# Altium PCB Digital_Optical.PcbDoc (part 1 of 3) (continued)
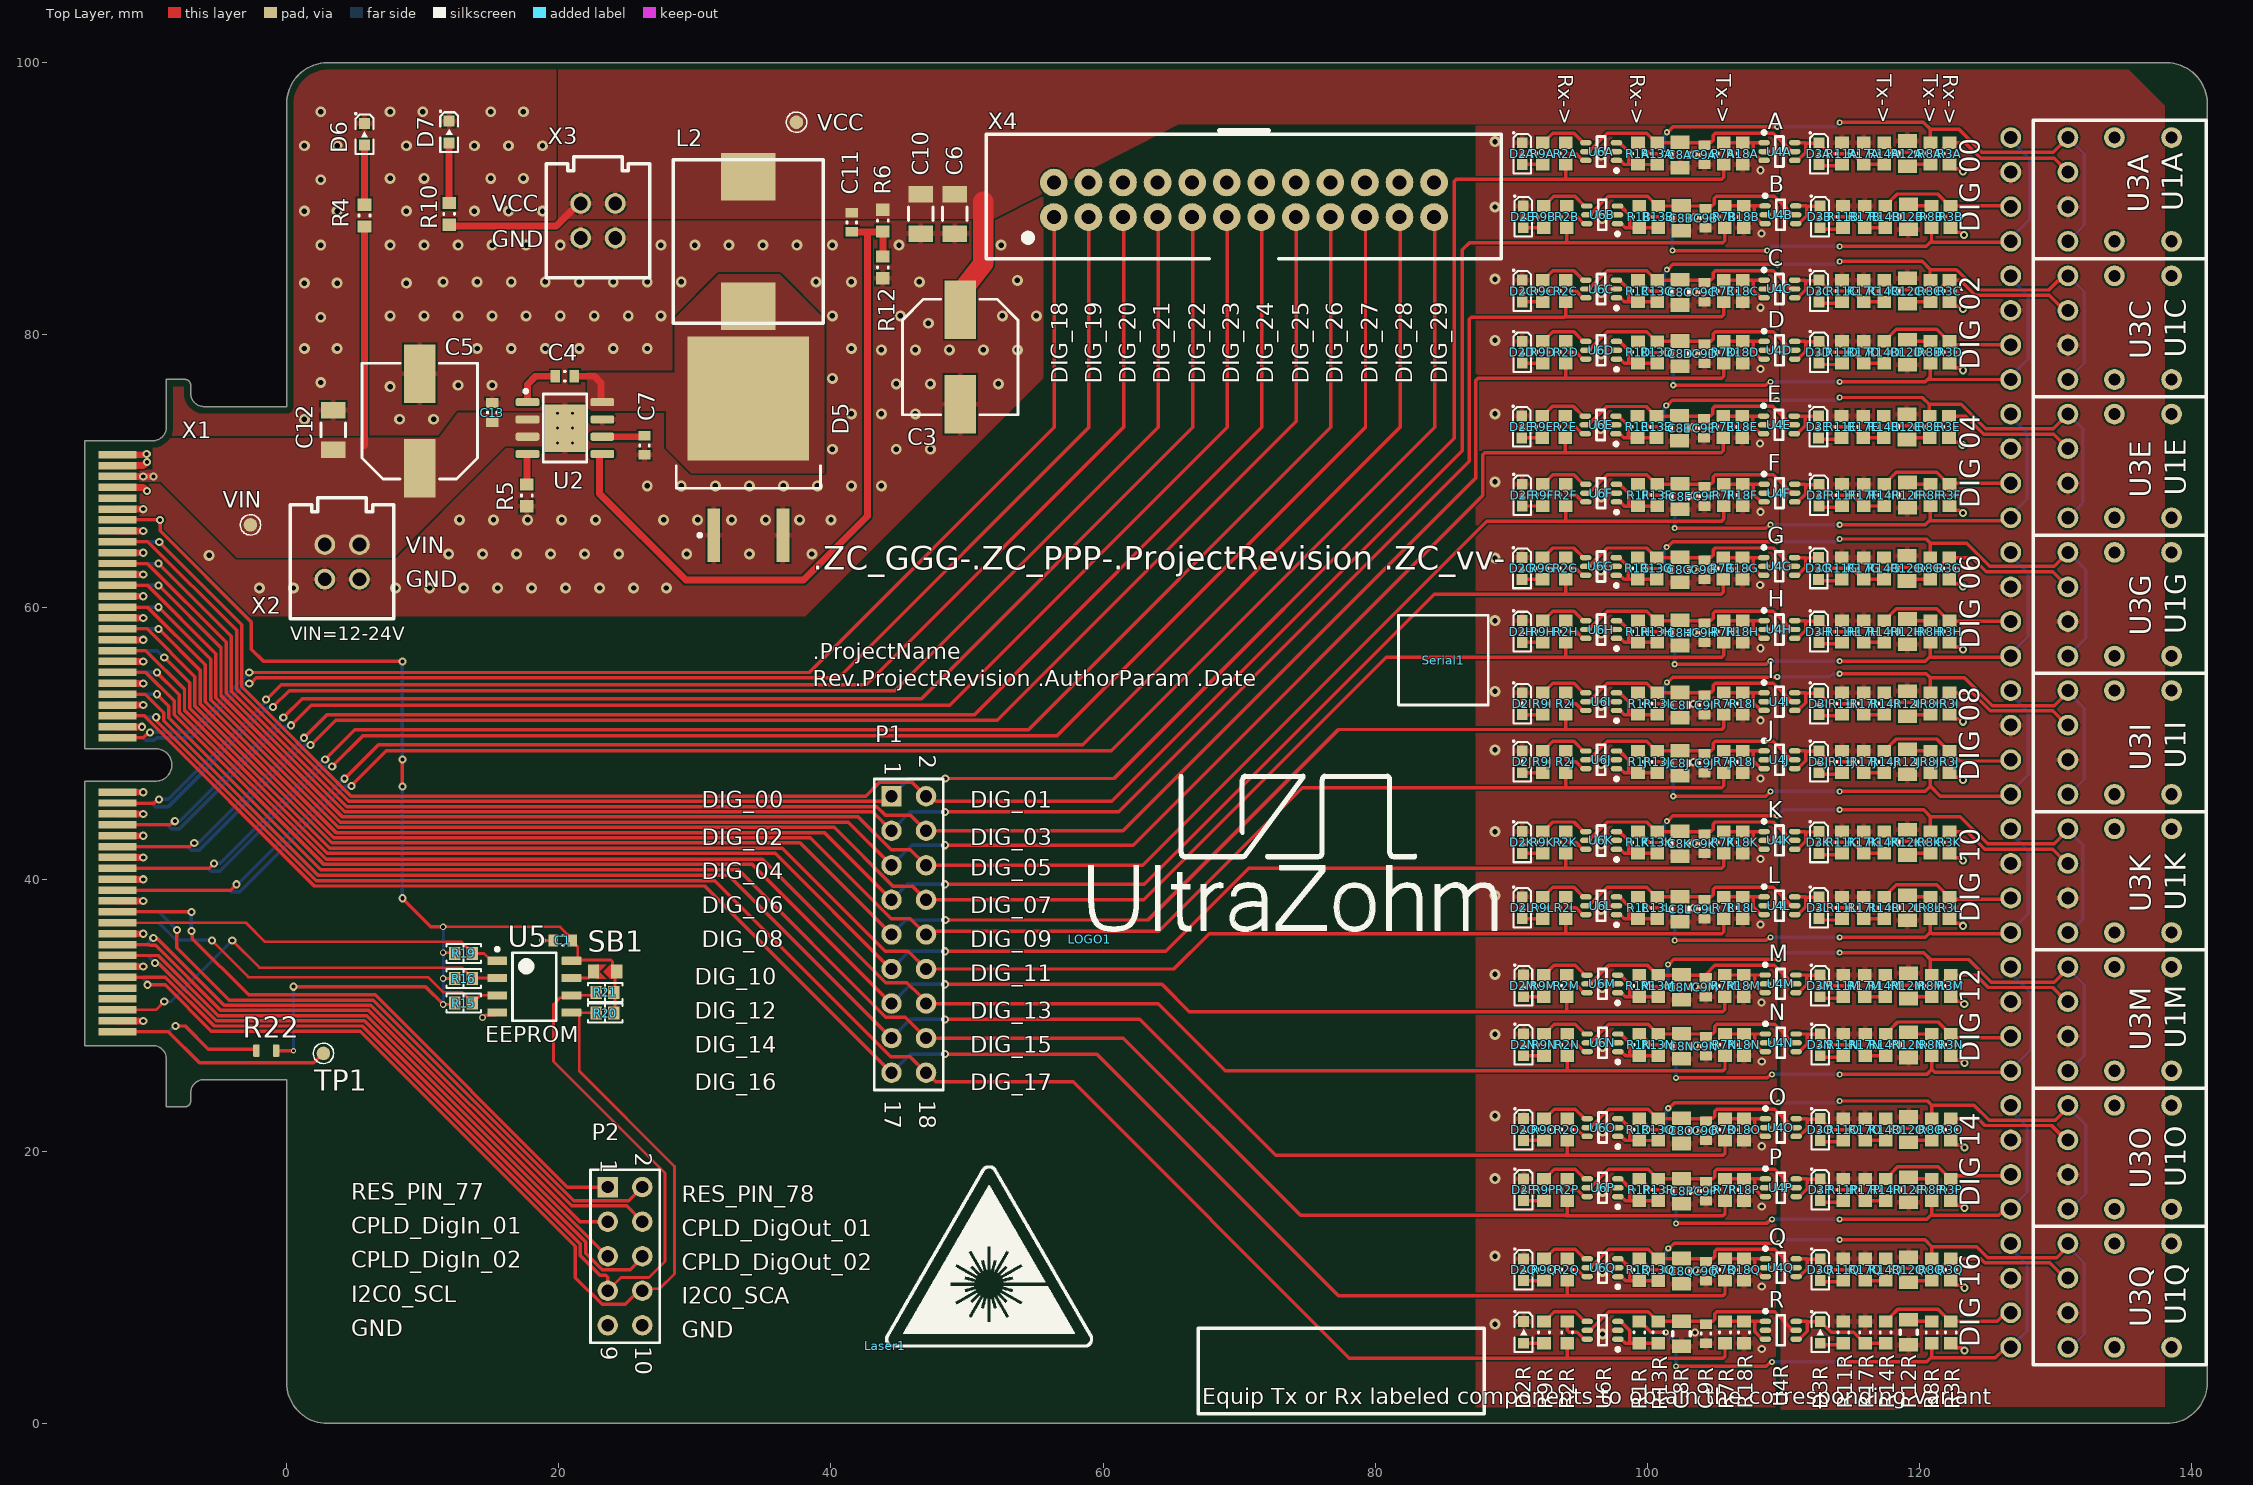
[diagram p0: Top Layer view]
## Components (designator, comment, footprint, x,y, rotation, side; value= is the part's Value field where it differs from the comment)
C1 "100 nF" C_0603 20.3,35.497 r180 top
C3 "220uF" CAPAE9083X105M 49.5,78.375 r90 top
C4 "100nF" C_0603(1608)100_L 20.447,76.962 r0 top
C5 "220uF" CAPAE9083X105M 9.779,73.66 r270 top
C6 "10µF" C_1206 49.1,88.9 r270 top
C7 "10nF" C_0603(1608)100_L 26.289,71.882 r270 top
C8A "4.7µF" CAP_2012X06N 102.41,93.223 r270 top (schematic designator C8)
C8B "4.7µF" CAP_2012X06N 102.485,88.573 r270 top (schematic designator C8)
C8C "4.7µF" CAP_2012X06N 102.41,83.123 r270 top (schematic designator C8)
C8D "4.7µF" CAP_2012X06N 102.41,78.623 r270 top (schematic designator C8)
C8E "4.7µF" CAP_2012X06N 102.37,73.134 r270 top (schematic designator C8)
C8F "4.7µF" CAP_2012X06N 102.41,68.123 r270 top (schematic designator C8)
C8G "4.7µF" CAP_2012X06N 102.396,62.734 r270 top (schematic designator C8)
C8H "4.7µF" CAP_2012X06N 102.41,58.098 r270 top (schematic designator C8)
C8I "4.7µF" CAP_2012X06N 102.41,52.798 r270 top (schematic designator C8)
C8J "4.7µF" CAP_2012X06N 102.41,48.523 r270 top (schematic designator C8)
C8K "4.7µF" CAP_2012X06N 102.41,42.598 r270 top (schematic designator C8)
C8L "4.7µF" CAP_2012X06N 102.41,37.798 r270 top (schematic designator C8)
C8M "4.7µF" CAP_2012X06N 102.493,32.056 r270 top (schematic designator C8)
C8N "4.7µF" CAP_2012X06N 102.51,27.723 r270 top (schematic designator C8)
C8O "4.7µF" CAP_2012X06N 102.51,21.498 r270 top (schematic designator C8)
C8P "4.7µF" CAP_2012X06N 102.51,17.073 r270 top (schematic designator C8)
C8Q "4.7µF" CAP_2012X06N 102.51,11.198 r270 top (schematic designator C8)
C8R "4.7µF" CAP_2012X06N 102.51,6.598 r270 top (schematic designator C8)
C9A "100nF" C_0603(1608)100_L 104.2,93.225 r270 top (schematic designator C9)
C9B "100nF" C_0603(1608)100_L 104.275,88.575 r270 top (schematic designator C9)
C9C "100nF" C_0603(1608)100_L 104.2,83.125 r270 top (schematic designator C9)
C9D "100nF" C_0603(1608)100_L 104.2,78.625 r270 top (schematic designator C9)
C9E "100nF" C_0603(1608)100_L 104.161,73.136 r270 top (schematic designator C9)
C9F "100nF" C_0603(1608)100_L 104.2,68.125 r270 top (schematic designator C9)
C9G "100nF" C_0603(1608)100_L 104.186,62.736 r270 top (schematic designator C9)
C9H "100nF" C_0603(1608)100_L 104.2,58.1 r270 top (schematic designator C9)
C9I "100nF" C_0603(1608)100_L 104.2,52.8 r270 top (schematic designator C9)
C9J "100nF" C_0603(1608)100_L 104.2,48.525 r270 top (schematic designator C9)
C9K "100nF" C_0603(1608)100_L 104.2,42.6 r270 top (schematic designator C9)
C9L "100nF" C_0603(1608)100_L 104.2,37.8 r270 top (schematic designator C9)
C9M "100nF" C_0603(1608)100_L 104.283,32.058 r270 top (schematic designator C9)
C9N "100nF" C_0603(1608)100_L 104.3,27.725 r270 top (schematic designator C9)
C9O "100nF" C_0603(1608)100_L 104.3,21.5 r270 top (schematic designator C9)
C9P "100nF" C_0603(1608)100_L 104.3,17.075 r270 top (schematic designator C9)
C9Q "100nF" C_0603(1608)100_L 104.3,11.2 r270 top (schematic designator C9)
C9R "100nF" C_0603(1608)100_L 104.3,6.6 r270 top (schematic designator C9)
C10 "10µF" C_1206 46.6,88.9 r270 top
C11 "220pF" C_0603(1608)100_L 41.529,88.265 r270 top
C12 "10µF" C_1206 3.429,73.025 r90 top
C13 "100nF" C_0603(1608)100_L 15.113,74.295 r270 top
D2A "150060RS75000" WL-SMCW_0603 90.8,93.325 r270 top (schematic designator D2)
D2B "150060RS75000" WL-SMCW_0603 90.875,88.675 r270 top (schematic designator D2)
D2C "150060RS75000" WL-SMCW_0603 90.8,83.225 r270 top (schematic designator D2)
D2D "150060RS75000" WL-SMCW_0603 90.8,78.725 r270 top (schematic designator D2)
D2E "150060RS75000" WL-SMCW_0603 90.761,73.236 r270 top (schematic designator D2)
D2F "150060RS75000" WL-SMCW_0603 90.8,68.225 r270 top (schematic designator D2)
D2G "150060RS75000" WL-SMCW_0603 90.786,62.836 r270 top (schematic designator D2)
D2H "150060RS75000" WL-SMCW_0603 90.8,58.2 r270 top (schematic designator D2)
D2I "150060RS75000" WL-SMCW_0603 90.8,52.9 r270 top (schematic designator D2)
D2J "150060RS75000" WL-SMCW_0603 90.8,48.625 r270 top (schematic designator D2)
D2K "150060RS75000" WL-SMCW_0603 90.8,42.7 r270 top (schematic designator D2)
D2L "150060RS75000" WL-SMCW_0603 90.8,37.9 r270 top (schematic designator D2)
D2M "150060RS75000" WL-SMCW_0603 90.883,32.158 r270 top (schematic designator D2)
D2N "150060RS75000" WL-SMCW_0603 90.9,27.825 r270 top (schematic designator D2)
D2O "150060RS75000" WL-SMCW_0603 90.9,21.6 r270 top (schematic designator D2)
D2P "150060RS75000" WL-SMCW_0603 90.9,17.175 r270 top (schematic designator D2)
D2Q "150060RS75000" WL-SMCW_0603 90.9,11.3 r270 top (schematic designator D2)
D2R "150060RS75000" WL-SMCW_0603 90.9,6.7 r270 top (schematic designator D2)
D3A "150060GS75000" WL-SMCW_0603 112.6,93.325 r270 top (schematic designator D3)
D3B "150060GS75000" WL-SMCW_0603 112.675,88.675 r270 top (schematic designator D3)
D3C "150060GS75000" WL-SMCW_0603 112.6,83.225 r270 top (schematic designator D3)
D3D "150060GS75000" WL-SMCW_0603 112.6,78.725 r270 top (schematic designator D3)
D3E "150060GS75000" WL-SMCW_0603 112.561,73.236 r270 top (schematic designator D3)
D3F "150060GS75000" WL-SMCW_0603 112.6,68.225 r270 top (schematic designator D3)
D3G "150060GS75000" WL-SMCW_0603 112.586,62.836 r270 top (schematic designator D3)
D3H "150060GS75000" WL-SMCW_0603 112.6,58.2 r270 top (schematic designator D3)
D3I "150060GS75000" WL-SMCW_0603 112.6,52.9 r270 top (schematic designator D3)
D3J "150060GS75000" WL-SMCW_0603 112.6,48.625 r270 top (schematic designator D3)
D3K "150060GS75000" WL-SMCW_0603 112.6,42.7 r270 top (schematic designator D3)
D3L "150060GS75000" WL-SMCW_0603 112.6,37.9 r270 top (schematic designator D3)
D3M "150060GS75000" WL-SMCW_0603 112.683,32.158 r270 top (schematic designator D3)
D3N "150060GS75000" WL-SMCW_0603 112.7,27.825 r270 top (schematic designator D3)
D3O "150060GS75000" WL-SMCW_0603 112.7,21.6 r270 top (schematic designator D3)
D3P "150060GS75000" WL-SMCW_0603 112.7,17.175 r270 top (schematic designator D3)
D3Q "150060GS75000" WL-SMCW_0603 112.7,11.3 r270 top (schematic designator D3)
D3R "150060GS75000" WL-SMCW_0603 112.7,6.7 r270 top (schematic designator D3)
D5 "Value" DPAK254P1542X460-3N 33.925,71.628 r90 top
D6 "150060BS75000" WL-SMCW_0603 5.715,94.742 r270 top
D7 "150060RS75000" WL-SMCW_0603 11.938,94.907 r270 top
L2 "15uH" MWSA1004 33.925,86.868 r90 top
Laser1 "Voll_Laser" VOLL_LASER 44,5.7 r0 top
LOGO1 "UZ Logo" UZ_Logo_small 59,35.6 r0 top
P1 "Header 9X2" HDR2X9 44.45,46.101 r270 top
P2 "Header 5X2" HDR2X5 23.597,17.374 r270 top
R1A "0R" R_0603_N 99.309,93.323 r90 top (schematic designator R1)
R1B "0R" R_0603_N 99.385,88.673 r90 top (schematic designator R1)
R1C "0R" R_0603_N 99.309,83.223 r90 top (schematic designator R1)
R1D "0R" R_0603_N 99.31,78.723 r90 top (schematic designator R1)
R1E "0R" R_0603_N 99.27,73.234 r90 top (schematic designator R1)
R1F "0R" R_0603_N 99.309,68.223 r90 top (schematic designator R1)
R1G "0R" R_0603_N 99.296,62.834 r90 top (schematic designator R1)
R1H "0R" R_0603_N 99.309,58.198 r90 top (schematic designator R1)
R1I "0R" R_0603_N 99.309,52.898 r90 top (schematic designator R1)
R1J "0R" R_0603_N 99.31,48.623 r90 top (schematic designator R1)
R1K "0R" R_0603_N 99.309,42.698 r90 top (schematic designator R1)
R1L "0R" R_0603_N 99.309,37.898 r90 top (schematic designator R1)
R1M "0R" R_0603_N 99.393,32.156 r90 top (schematic designator R1)
R1N "0R" R_0603_N 99.409,27.823 r90 top (schematic designator R1)
R1O "0R" R_0603_N 99.409,21.598 r90 top (schematic designator R1)
R1P "0R" R_0603_N 99.409,17.173 r90 top (schematic designator R1)
R1Q "0R" R_0603_N 99.409,11.298 r90 top (schematic designator R1)
R1R "0R" R_0603_N 99.409,6.698 r90 top (schematic designator R1)
R2A "0R" R_0603_N 94,93.325 r90 top (schematic designator R2)
R2B "0R" R_0603_N 94.075,88.675 r90 top (schematic designator R2)
R2C "0R" R_0603_N 94,83.225 r90 top (schematic designator R2)
R2D "0R" R_0603_N 94,78.725 r90 top (schematic designator R2)
R2E "0R" R_0603_N 93.961,73.236 r90 top (schematic designator R2)
R2F "0R" R_0603_N 94,68.225 r90 top (schematic designator R2)
R2G "0R" R_0603_N 93.986,62.836 r90 top (schematic designator R2)
R2H "0R" R_0603_N 94,58.2 r90 top (schematic designator R2)
R2I "0R" R_0603_N 94,52.9 r90 top (schematic designator R2)
R2J "0R" R_0603_N 94,48.625 r90 top (schematic designator R2)
R2K "0R" R_0603_N 94,42.7 r90 top (schematic designator R2)
R2L "0R" R_0603_N 94,37.9 r90 top (schematic designator R2)
R2M "0R" R_0603_N 94.083,32.158 r90 top (schematic designator R2)
R2N "0R" R_0603_N 94.1,27.825 r90 top (schematic designator R2)
R2O "0R" R_0603_N 94.1,21.6 r90 top (schematic designator R2)
R2P "0R" R_0603_N 94.1,17.175 r90 top (schematic designator R2)
R2Q "0R" R_0603_N 94.1,11.3 r90 top (schematic designator R2)
R2R "0R" R_0603_N 94.1,6.7 r90 top (schematic designator R2)
R3A "0R" R_0603_N 122.2,93.325 r270 top (schematic designator R3)
R3B "0R" R_0603_N 122.275,88.675 r270 top (schematic designator R3)
R3C "0R" R_0603_N 122.2,83.225 r270 top (schematic designator R3)
R3D "0R" R_0603_N 122.2,78.725 r270 top (schematic designator R3)
R3E "0R" R_0603_N 122.161,73.236 r270 top (schematic designator R3)
R3F "0R" R_0603_N 122.2,68.225 r270 top (schematic designator R3)
R3G "0R" R_0603_N 122.186,62.836 r270 top (schematic designator R3)
R3H "0R" R_0603_N 122.2,58.2 r270 top (schematic designator R3)
R3I "0R" R_0603_N 122.2,52.9 r270 top (schematic designator R3)
R3J "0R" R_0603_N 122.2,48.625 r270 top (schematic designator R3)
R3K "0R" R_0603_N 122.2,42.7 r270 top (schematic designator R3)
R3L "0R" R_0603_N 122.2,37.9 r270 top (schematic designator R3)
R3M "0R" R_0603_N 122.283,32.158 r270 top (schematic designator R3)
R3N "0R" R_0603_N 122.3,27.825 r270 top (schematic designator R3)
R3O "0R" R_0603_N 122.3,21.6 r270 top (schematic designator R3)
R3P "0R" R_0603_N 122.3,17.175 r270 top (schematic designator R3)
R3Q "0R" R_0603_N 122.3,11.3 r270 top (schematic designator R3)
R3R "0R" R_0603_N 122.3,6.7 r270 top (schematic designator R3)
R4 "12k" R_0603_N 5.715,88.773 r270 top
R5 "13k" R_0603_N 17.653,68.199 r90 top
R6 "43k" R_0603_N 43.815,88.392 r90 top
R7A "0R" R_0603_N 105.6,93.325 r270 top (schematic designator R7)
R7B "0R" R_0603_N 105.675,88.675 r270 top (schematic designator R7)
R7C "0R" R_0603_N 105.6,83.225 r270 top (schematic designator R7)
R7D "0R" R_0603_N 105.6,78.725 r270 top (schematic designator R7)
R7E "0R" R_0603_N 105.561,73.236 r270 top (schematic designator R7)
R7F "0R" R_0603_N 105.6,68.225 r270 top (schematic designator R7)
R7G "0R" R_0603_N 105.586,62.836 r270 top (schematic designator R7)
R7H "0R" R_0603_N 105.6,58.2 r270 top (schematic designator R7)
R7I "0R" R_0603_N 105.6,52.9 r270 top (schematic designator R7)
R7J "0R" R_0603_N 105.6,48.625 r270 top (schematic designator R7)
R7K "0R" R_0603_N 105.6,42.7 r270 top (schematic designator R7)
R7L "0R" R_0603_N 105.6,37.9 r270 top (schematic designator R7)
R7M "0R" R_0603_N 105.683,32.158 r270 top (schematic designator R7)
R7N "0R" R_0603_N 105.7,27.825 r270 top (schematic designator R7)
R7O "0R" R_0603_N 105.7,21.6 r270 top (schematic designator R7)
R7P "0R" R_0603_N 105.7,17.175 r270 top (schematic designator R7)
R7Q "0R" R_0603_N 105.7,11.3 r270 top (schematic designator R7)
R7R "0R" R_0603_N 105.7,6.7 r270 top (schematic designator R7)
R8A "0R" R_0603_N 120.8,93.325 r90 top (schematic designator R8)
R8B "0R" R_0603_N 120.875,88.675 r270 top (schematic designator R8)
R8C "0R" R_0603_N 120.8,83.225 r90 top (schematic designator R8)
R8D "0R" R_0603_N 120.8,78.725 r270 top (schematic designator R8)
R8E "0R" R_0603_N 120.761,73.236 r90 top (schematic designator R8)
R8F "0R" R_0603_N 120.8,68.225 r270 top (schematic designator R8)
R8G "0R" R_0603_N 120.786,62.836 r90 top (schematic designator R8)
R8H "0R" R_0603_N 120.8,58.2 r270 top (schematic designator R8)
R8I "0R" R_0603_N 120.8,52.9 r90 top (schematic designator R8)
R8J "0R" R_0603_N 120.8,48.625 r270 top (schematic designator R8)
R8K "0R" R_0603_N 120.8,42.7 r90 top (schematic designator R8)
R8L "0R" R_0603_N 120.8,37.9 r270 top (schematic designator R8)
R8M "0R" R_0603_N 120.883,32.158 r90 top (schematic designator R8)
R8N "0R" R_0603_N 120.9,27.825 r270 top (schematic designator R8)
R8O "0R" R_0603_N 120.9,21.6 r90 top (schematic designator R8)
R8P "0R" R_0603_N 120.9,17.175 r270 top (schematic designator R8)
R8Q "0R" R_0603_N 120.9,11.3 r90 top (schematic designator R8)
R8R "0R" R_0603_N 120.9,6.7 r270 top (schematic designator R8)
R9A "680R" R_0603_N 92.3,93.325 r270 top (schematic designator R9)
R9B "680R" R_0603_N 92.375,88.675 r270 top (schematic designator R9)
R9C "680R" R_0603_N 92.3,83.225 r270 top (schematic designator R9)
R9D "680R" R_0603_N 92.3,78.725 r270 top (schematic designator R9)
R9E "680R" R_0603_N 92.261,73.236 r270 top (schematic designator R9)
R9F "680R" R_0603_N 92.3,68.225 r270 top (schematic designator R9)
R9G "680R" R_0603_N 92.286,62.836 r270 top (schematic designator R9)
R9H "680R" R_0603_N 92.3,58.2 r270 top (schematic designator R9)
R9I "680R" R_0603_N 92.3,52.9 r270 top (schematic designator R9)
R9J "680R" R_0603_N 92.3,48.625 r270 top (schematic designator R9)
R9K "680R" R_0603_N 92.3,42.7 r270 top (schematic designator R9)
R9L "680R" R_0603_N 92.3,37.9 r270 top (schematic designator R9)
R9M "680R" R_0603_N 92.383,32.158 r270 top (schematic designator R9)
R9N "680R" R_0603_N 92.4,27.825 r270 top (schematic designator R9)
R9O "680R" R_0603_N 92.4,21.6 r270 top (schematic designator R9)
R9P "680R" R_0603_N 92.4,17.175 r270 top (schematic designator R9)
R9Q "680R" R_0603_N 92.4,11.3 r270 top (schematic designator R9)
R9R "680R" R_0603_N 92.4,6.7 r270 top (schematic designator R9)
R10 "680R" R_0603_N 11.938,88.9 r270 top
R11A "680R" R_0603_N 114.3,93.325 r270 top (schematic designator R11)
R11B "680R" R_0603_N 114.375,88.675 r270 top (schematic designator R11)
R11C "680R" R_0603_N 114.3,83.225 r270 top (schematic designator R11)
R11D "680R" R_0603_N 114.3,78.725 r270 top (schematic designator R11)
R11E "680R" R_0603_N 114.261,73.236 r270 top (schematic designator R11)
R11F "680R" R_0603_N 114.3,68.225 r270 top (schematic designator R11)
R11G "680R" R_0603_N 114.286,62.836 r270 top (schematic designator R11)
R11H "680R" R_0603_N 114.3,58.2 r270 top (schematic designator R11)
R11I "680R" R_0603_N 114.3,52.9 r270 top (schematic designator R11)
R11J "680R" R_0603_N 114.3,48.625 r270 top (schematic designator R11)
R11K "680R" R_0603_N 114.3,42.7 r270 top (schematic designator R11)
R11L "680R" R_0603_N 114.3,37.9 r270 top (schematic designator R11)
R11M "680R" R_0603_N 114.383,32.158 r270 top (schematic designator R11)
R11N "680R" R_0603_N 114.4,27.825 r270 top (schematic designator R11)
R11O "680R" R_0603_N 114.4,21.6 r270 top (schematic designator R11)
R11P "680R" R_0603_N 114.4,17.175 r270 top (schematic designator R11)
R11Q "680R" R_0603_N 114.4,11.3 r270 top (schematic designator R11)
R11R "680R" R_0603_N 114.4,6.7 r270 top (schematic designator R11)
R12 "12k" R_0603_N 43.815,84.963 r90 top
R12A "56R" RES_2012X06N 119.1,93.325 r270 top (schematic designator R12)
R12B "56R" RES_2012X06N 119.175,88.675 r90 top (schematic designator R12)
R12C "56R" RES_2012X06N 119.1,83.225 r270 top (schematic designator R12)
R12D "56R" RES_2012X06N 119.1,78.725 r90 top (schematic designator R12)
R12E "56R" RES_2012X06N 119.061,73.236 r270 top (schematic designator R12)
R12F "56R" RES_2012X06N 119.1,68.225 r90 top (schematic designator R12)
R12G "56R" RES_2012X06N 119.086,62.836 r270 top (schematic designator R12)
R12H "56R" RES_2012X06N 119.1,58.2 r90 top (schematic designator R12)
R12I "56R" RES_2012X06N 119.1,52.9 r270 top (schematic designator R12)
R12J "56R" RES_2012X06N 119.1,48.625 r90 top (schematic designator R12)
R12K "56R" RES_2012X06N 119.1,42.7 r270 top (schematic designator R12)
R12L "56R" RES_2012X06N 119.1,37.9 r90 top (schematic designator R12)
R12M "56R" RES_2012X06N 119.183,32.158 r270 top (schematic designator R12)
R12N "56R" RES_2012X06N 119.2,27.825 r90 top (schematic designator R12)
R12O "56R" RES_2012X06N 119.2,21.6 r270 top (schematic designator R12)
R12P "56R" RES_2012X06N 119.2,17.175 r90 top (schematic designator R12)
R12Q "56R" RES_2012X06N 119.2,11.3 r270 top (schematic designator R12)
R12R "56R" RES_2012X06N 119.2,6.7 r90 top (schematic designator R12)
R13A "43k" R_0603_N 100.709,93.323 r270 top (schematic designator R13)
R13B "43k" R_0603_N 100.784,88.673 r270 top (schematic designator R13)
R13C "43k" R_0603_N 100.709,83.223 r270 top (schematic designator R13)
R13D "43k" R_0603_N 100.71,78.723 r270 top (schematic designator R13)
R13E "43k" R_0603_N 100.67,73.234 r270 top (schematic designator R13)
R13F "43k" R_0603_N 100.709,68.223 r270 top (schematic designator R13)
R13G "43k" R_0603_N 100.696,62.834 r270 top (schematic designator R13)
R13H "43k" R_0603_N 100.709,58.198 r270 top (schematic designator R13)
R13I "43k" R_0603_N 100.709,52.898 r270 top (schematic designator R13)
R13J "43k" R_0603_N 100.71,48.623 r270 top (schematic designator R13)
R13K "43k" R_0603_N 100.709,42.698 r270 top (schematic designator R13)
R13L "43k" R_0603_N 100.709,37.898 r270 top (schematic designator R13)
R13M "43k" R_0603_N 100.793,32.156 r270 top (schematic designator R13)
R13N "43k" R_0603_N 100.809,27.823 r270 top (schematic designator R13)
R13O "43k" R_0603_N 100.809,21.598 r270 top (schematic designator R13)
R13P "43k" R_0603_N 100.809,17.173 r270 top (schematic designator R13)
R13Q "43k" R_0603_N 100.809,11.298 r270 top (schematic designator R13)
R13R "43k" R_0603_N 100.809,6.698 r270 top (schematic designator R13)
R14A "0R" R_0603_N 117.4,93.325 r90 top (schematic designator R14)
R14B "0R" R_0603_N 117.475,88.675 r90 top (schematic designator R14)
R14C "0R" R_0603_N 117.4,83.225 r90 top (schematic designator R14)
R14D "0R" R_0603_N 117.4,78.725 r90 top (schematic designator R14)
R14E "0R" R_0603_N 117.361,73.236 r90 top (schematic designator R14)
R14F "0R" R_0603_N 117.4,68.225 r90 top (schematic designator R14)
R14G "0R" R_0603_N 117.386,62.836 r90 top (schematic designator R14)
R14H "0R" R_0603_N 117.4,58.2 r90 top (schematic designator R14)
R14I "0R" R_0603_N 117.4,52.9 r90 top (schematic designator R14)
R14J "0R" R_0603_N 117.4,48.625 r90 top (schematic designator R14)
R14K "0R" R_0603_N 117.4,42.7 r90 top (schematic designator R14)
R14L "0R" R_0603_N 117.4,37.9 r90 top (schematic designator R14)
R14M "0R" R_0603_N 117.483,32.158 r90 top (schematic designator R14)
R14N "0R" R_0603_N 117.5,27.825 r90 top (schematic designator R14)
R14O "0R" R_0603_N 117.5,21.6 r90 top (schematic designator R14)
R14P "0R" R_0603_N 117.5,17.175 r90 top (schematic designator R14)
R14Q "0R" R_0603_N 117.5,11.3 r90 top (schematic designator R14)
R14R "0R" R_0603_N 117.5,6.7 r90 top (schematic designator R14)
R15 "4k7" "RES 0603_1608" 13,30.888 r180 top
R16 "4k7" "RES 0603_1608" 13,32.697 r180 top
R17A "2k" R_0603_N 115.9,93.325 r90 top (schematic designator R17)
R17B "2k" R_0603_N 115.975,88.675 r90 top (schematic designator R17)
R17C "2k" R_0603_N 115.9,83.225 r90 top (schematic designator R17)
R17D "2k" R_0603_N 115.9,78.725 r90 top (schematic designator R17)
R17E "2k" R_0603_N 115.861,73.236 r90 top (schematic designator R17)
R17F "2k" R_0603_N 115.9,68.225 r90 top (schematic designator R17)
R17G "2k" R_0603_N 115.886,62.836 r90 top (schematic designator R17)
R17H "2k" R_0603_N 115.9,58.2 r90 top (schematic designator R17)
R17I "2k" R_0603_N 115.9,52.9 r90 top (schematic designator R17)
R17J "2k" R_0603_N 115.9,48.625 r90 top (schematic designator R17)
R17K "2k" R_0603_N 115.9,42.7 r90 top (schematic designator R17)
R17L "2k" R_0603_N 115.9,37.9 r90 top (schematic designator R17)
R17M "2k" R_0603_N 115.983,32.158 r90 top (schematic designator R17)
R17N "2k" R_0603_N 116,27.825 r90 top (schematic designator R17)
R17O "2k" R_0603_N 116,21.6 r90 top (schematic designator R17)
R17P "2k" R_0603_N 116,17.175 r90 top (schematic designator R17)
R17Q "2k" R_0603_N 116,11.3 r90 top (schematic designator R17)
R17R "2k" R_0603_N 116,6.7 r90 top (schematic designator R17)
R18A "2k" R_0603_N 107,93.325 r90 top (schematic designator R18)
R18B "2k" R_0603_N 107.075,88.675 r90 top (schematic designator R18)
R18C "2k" R_0603_N 107,83.225 r90 top (schematic designator R18)
R18D "2k" R_0603_N 107,78.725 r90 top (schematic designator R18)
R18E "2k" R_0603_N 106.961,73.236 r90 top (schematic designator R18)
R18F "2k" R_0603_N 107,68.225 r90 top (schematic designator R18)
R18G "2k" R_0603_N 106.986,62.836 r90 top (schematic designator R18)
R18H "2k" R_0603_N 107,58.2 r90 top (schematic designator R18)
R18I "2k" R_0603_N 107,52.9 r90 top (schematic designator R18)
R18J "2k" R_0603_N 107,48.625 r90 top (schematic designator R18)
R18K "2k" R_0603_N 107,42.7 r90 top (schematic designator R18)
R18L "2k" R_0603_N 107,37.9 r90 top (schematic designator R18)
R18M "2k" R_0603_N 107.083,32.158 r90 top (schematic designator R18)
R18N "2k" R_0603_N 107.1,27.825 r90 top (schematic designator R18)
R18O "2k" R_0603_N 107.1,21.6 r90 top (schematic designator R18)
R18P "2k" R_0603_N 107.1,17.175 r90 top (schematic designator R18)
R18Q "2k" R_0603_N 107.1,11.3 r90 top (schematic designator R18)
R18R "2k" R_0603_N 107.1,6.7 r90 top (schematic designator R18)
R19 "4k7" "RES 0603_1608" 13,34.547 r180 top
R20 "100k" "RES 0603_1608" 23.4,30.158 r0 top
R21 "100k" "RES 0603_1608" 23.4,31.688 r0 top
R22 "1k" R_0603_TE -1.5,27.4 r270 top
SB1 "Solder Bump 0603" SB_0603 23.4,33.205 r0 top
Serial1 "Serialnumber 6,3 x 6.3mm" SERIAL_6.3X6.3MM 85,56.1 r180 top
TP1 "Testpoint 1mm" TP_1mm 2.7,27.2 r0 top
U1A "Optical Transmitter" HFBRx5XX 130.9,94.5 r90 top locked (schematic designator U1)
U1B "Optical Transmitter" HFBRx5XX 126.7,86.88 r270 bottom locked (schematic designator U1)
U1C "Optical Transmitter" HFBRx5XX 130.9,84.34 r90 top locked (schematic designator U1)
U1D "Optical Transmitter" HFBRx5XX 126.7,76.72 r270 bottom locked (schematic designator U1)
U1E "Optical Transmitter" HFBRx5XX 130.9,74.18 r90 top locked (schematic designator U1)
U1F "Optical Transmitter" HFBRx5XX 126.7,66.56 r270 bottom locked (schematic designator U1)
U1G "Optical Transmitter" HFBRx5XX 130.9,64.02 r90 top locked (schematic designator U1)
U1H "Optical Transmitter" HFBRx5XX 126.7,56.4 r270 bottom locked (schematic designator U1)
U1I "Optical Transmitter" HFBRx5XX 130.9,53.86 r90 top locked (schematic designator U1)
U1J "Optical Transmitter" HFBRx5XX 126.7,46.24 r270 bottom locked (schematic designator U1)
U1K "Optical Transmitter" HFBRx5XX 130.9,43.7 r90 top locked (schematic designator U1)
U1L "Optical Transmitter" HFBRx5XX 126.7,36.08 r270 bottom locked (schematic designator U1)
U1M "Optical Transmitter" HFBRx5XX 130.9,33.54 r90 top locked (schematic designator U1)
U1N "Optical Transmitter" HFBRx5XX 126.7,25.92 r270 bottom locked (schematic designator U1)
U1O "Optical Transmitter" HFBRx5XX 130.9,23.38 r90 top locked (schematic designator U1)
U1P "Optical Transmitter" HFBRx5XX 126.7,15.76 r270 bottom locked (schematic designator U1)
U1Q "Optical Transmitter" HFBRx5XX 130.9,13.22 r90 top locked (schematic designator U1)
U1R "Optical Transmitter" HFBRx5XX 126.7,5.6 r270 bottom locked (schematic designator U1)
U2 "5A Buck Converter" SOP127P600X170_HS-9N 20.447,73.152 r270 top
U3A "Optical Receiver" HFBRx5XX 130.9,94.5 r90 top locked (schematic designator U3)
U3B "Optical Receiver" HFBRx5XX 126.7,86.88 r270 bottom locked (schematic designator U3)
U3C "Optical Receiver" HFBRx5XX 130.9,84.34 r90 top locked (schematic designator U3)
U3D "Optical Receiver" HFBRx5XX 126.7,76.72 r270 bottom locked (schematic designator U3)
U3E "Optical Receiver" HFBRx5XX 130.9,74.18 r90 top locked (schematic designator U3)
U3F "Optical Receiver" HFBRx5XX 126.7,66.56 r270 bottom locked (schematic designator U3)
U3G "Optical Receiver" HFBRx5XX 130.9,64.02 r90 top locked (schematic designator U3)
U3H "Optical Receiver" HFBRx5XX 126.7,56.4 r270 bottom locked (schematic designator U3)
U3I "Optical Receiver" HFBRx5XX 130.9,53.86 r90 top locked (schematic designator U3)
U3J "Optical Receiver" HFBRx5XX 126.7,46.24 r270 bottom locked (schematic designator U3)
U3K "Optical Receiver" HFBRx5XX 130.9,43.7 r90 top locked (schematic designator U3)
U3L "Optical Receiver" HFBRx5XX 126.7,36.08 r270 bottom locked (schematic designator U3)
U3M "Optical Receiver" HFBRx5XX 130.9,33.54 r90 top locked (schematic designator U3)
U3N "Optical Receiver" HFBRx5XX 126.7,25.92 r270 bottom locked (schematic designator U3)
U3O "Optical Receiver" HFBRx5XX 130.9,23.38 r90 top locked (schematic designator U3)
U3P "Optical Receiver" HFBRx5XX 126.7,15.76 r270 bottom locked (schematic designator U3)
U3Q "Optical Receiver" HFBRx5XX 130.9,13.22 r90 top locked (schematic designator U3)
U3R "Optical Receiver" HFBRx5XX 126.7,5.6 r270 bottom locked (schematic designator U3)
U4A "Dual Inverter" SN74LVC2GU04DCKR 109.7,93.475 r180 top (schematic designator U4)
U4B "Dual Inverter" SN74LVC2GU04DCKR 109.775,88.825 r180 top (schematic designator U4)
U4C "Dual Inverter" SN74LVC2GU04DCKR 109.7,83.375 r180 top (schematic designator U4)
U4D "Dual Inverter" SN74LVC2GU04DCKR 109.7,78.875 r180 top (schematic designator U4)
U4E "Dual Inverter" SN74LVC2GU04DCKR 109.661,73.386 r180 top (schematic designator U4)
U4F "Dual Inverter" SN74LVC2GU04DCKR 109.7,68.375 r180 top (schematic designator U4)
U4G "Dual Inverter" SN74LVC2GU04DCKR 109.686,62.986 r180 top (schematic designator U4)
U4H "Dual Inverter" SN74LVC2GU04DCKR 109.7,58.35 r180 top (schematic designator U4)
U4I "Dual Inverter" SN74LVC2GU04DCKR 109.7,53.05 r180 top (schematic designator U4)
U4J "Dual Inverter" SN74LVC2GU04DCKR 109.7,48.775 r180 top (schematic designator U4)
U4K "Dual Inverter" SN74LVC2GU04DCKR 109.7,42.85 r180 top (schematic designator U4)
U4L "Dual Inverter" SN74LVC2GU04DCKR 109.7,38.05 r180 top (schematic designator U4)
U4M "Dual Inverter" SN74LVC2GU04DCKR 109.783,32.308 r180 top (schematic designator U4)
U4N "Dual Inverter" SN74LVC2GU04DCKR 109.8,27.975 r180 top (schematic designator U4)
U4O "Dual Inverter" SN74LVC2GU04DCKR 109.8,21.75 r180 top (schematic designator U4)
U4P "Dual Inverter" SN74LVC2GU04DCKR 109.8,17.325 r180 top (schematic designator U4)
U4Q "Dual Inverter" SN74LVC2GU04DCKR 109.8,11.45 r180 top (schematic designator U4)
U4R "Dual Inverter" SN74LVC2GU04DCKR 109.8,6.85 r180 top (schematic designator U4)
U5 "M24C02-WMN6TP" D0008A_N 18.2,32.1 r0 top
U6A "Dual Inverter" SN74LVC2GU04DCKR 96.601,93.473 r0 top (schematic designator U6)
U6B "Dual Inverter" SN74LVC2GU04DCKR 96.676,88.823 r0 top (schematic designator U6)
U6C "Dual Inverter" SN74LVC2GU04DCKR 96.601,83.373 r0 top (schematic designator U6)
U6D "Dual Inverter" SN74LVC2GU04DCKR 96.601,78.873 r0 top (schematic designator U6)
U6E "Dual Inverter" SN74LVC2GU04DCKR 96.562,73.384 r0 top (schematic designator U6)
U6F "Dual Inverter" SN74LVC2GU04DCKR 96.601,68.373 r0 top (schematic designator U6)
U6G "Dual Inverter" SN74LVC2GU04DCKR 96.587,62.984 r0 top (schematic designator U6)
U6H "Dual Inverter" SN74LVC2GU04DCKR 96.601,58.348 r0 top (schematic designator U6)
U6I "Dual Inverter" SN74LVC2GU04DCKR 96.601,53.048 r0 top (schematic designator U6)
U6J "Dual Inverter" SN74LVC2GU04DCKR 96.601,48.773 r0 top (schematic designator U6)
U6K "Dual Inverter" SN74LVC2GU04DCKR 96.601,42.848 r0 top (schematic designator U6)
U6L "Dual Inverter" SN74LVC2GU04DCKR 96.601,38.048 r0 top (schematic designator U6)
U6M "Dual Inverter" SN74LVC2GU04DCKR 96.685,32.306 r0 top (schematic designator U6)
U6N "Dual Inverter" SN74LVC2GU04DCKR 96.701,27.973 r0 top (schematic designator U6)
U6O "Dual Inverter" SN74LVC2GU04DCKR 96.701,21.748 r0 top (schematic designator U6)
U6P "Dual Inverter" SN74LVC2GU04DCKR 96.701,17.323 r0 top (schematic designator U6)
U6Q "Dual Inverter" SN74LVC2GU04DCKR 96.701,11.448 r0 top (schematic designator U6)
U6R "Dual Inverter" SN74LVC2GU04DCKR 96.701,6.848 r0 top (schematic designator U6)
VCC "Testpoint 1mm" TP_1MM 37.465,95.631 r90 top
VIN "Testpoint 1mm" TP_1MM -2.667,66.04 r90 top
X1 "HSEC8-150-01-XX-DV-A-BL-CARD" HSEC8-150-01-XX-DV-A-BL-CARD -14.84,50 r270 bottom locked
X2 "IPL1-102-01-L-D-K" IPL1-102-01-L-D-K 4.073,63.317 r180 top
X3 "IPL1-102-01-L-D-K" IPL1-102-01-L-D-K 22.876,88.392 r180 top
X4 "2x12 Header .100''" TST-112-01-G-D 70.35,89.93 r0 top
? "Design Information" Design_info2 41.4,54.1 r0 top
? "ZC Serialnumber" ZC-Serial 41.4,62.5 r0 top value=GGG-PPP-VVvv

## Footprints (in the part's own frame and the unit in brackets; to place one, negate y for a bottom-side part, rotate by r counter-clockwise, add the part's x,y. Pads: shape width x height; smd on the part's side, far side on the other; paste and mask are expansions set on the pad)
C_0603 [mm] "Chip Capacitor, Body 1.6x0.8mm, Height 1.0mm, IPC High Density"
  rect 0.7x0.9 smd: 1(-0.7,0) 2(0.7,0)
  silkscreen extent -0.05,-0.35 0.05,0.35, body extent -0.88,-0.48 0.88,0.48, height 1
C_0603(1608)100_L [mm] "Chip Capacitor, Body 1.6x0.8mm, Height 1.0mm, IPC High Density"
  rect 0.7x0.9 smd: 1(-0.7,0) 2(0.7,0)
  silkscreen extent -0.05,-0.35 0.05,0.35, body extent -0.8,-0.4 0.8,0.4, height 0.8
C_1206 [mm]
  rect 1.21x1.82 smd: 1(1.45,0) 2(-1.45,0)
  silkscreen extent -0.5,-0.9 0.5,0.9, body extent -1.6,-0.81 1.6,0.81, height 1.82
CAP_2012X06N [mm] "Chip Resistor, 2-Leads, Body 2,00x1,25mm, IPC Medium Density"
  rect 1x1.4 smd: 1(-0.925,0) 2(0.925,0)
  silkscreen extent -0.15,-0.64 0.15,0.64, body extent -1,-0.62 1,0.63, height 1.25
CAPAE9083X105M [mm] "Aluminum Electrolytic Capacitor, Body 8,30x8,30x10,50mm, IPC Low Density"
  rect 4.3x2.3 smd: 1(3.475,0) 2(-3.475,0)
  silkscreen extent -4.25,-4.25 4.25,4.25, body extent -4.25,-4.25 4.25,4.25, height 10.5
D0008A_N [mm] "SOIC, 8-Leads, Body 5x4mm, Pitch 1.27mm, IPC Medium Density"
  rrect17% 1.45x0.6 smd: 1(-2.725,1.905) 2(-2.725,0.635) 3(-2.725,-0.635) 4(-2.725,-1.905) 5(2.725,-1.905) 6(2.725,-0.635) 7(2.725,0.635) 8(2.725,1.905)
  silkscreen extent -2.85,-2.5 1.6,2.88, body extent -3,-2.45 3,2.45, height 1.63
Design_info2 [mm] "project name + revision number"
DPAK254P1542X460-3N [mm] "D2-PAK, 3-Pads, Body 7,78x8,64mm (max), IPC Medium Density"
  rect 3.95x0.95 smd: 1(-6.35,2.54) 3(-6.35,-2.54)
  rect 9.1x8.95 smd: 4(3.7,0)
  silkscreen extent -6.47,-5.3 -1.25,5.3, body extent -2.9,-5.28 6.45,5.28, height 0.25
HDR2X5 [mm] "Connector; Header; 5x2 Position"
  rect 1.5x1.5 hole 0.9: 1(0,0)
  round 1.5 hole 0.9: 2(0,2.54) 3(2.54,0) 4(2.54,2.54) 5(5.08,0) 6(5.08,2.54) 7(7.62,0) 8(7.62,2.54) 9(10.16,0) 10(10.16,2.54)
  silkscreen extent -1.27,-1.27 11.43,3.81
HDR2X9 [mm] "Connector; Header; 9x2 Position"
  rect 1.5x1.5 hole 0.9: 1(0,0)
  round 1.5 hole 0.9: 2(0,2.54) 3(2.54,0) 4(2.54,2.54) 5(5.08,0) 6(5.08,2.54) 7(7.62,0) 8(7.62,2.54) 9(10.16,0) 10(10.16,2.54) 11(12.7,0) 12(12.7,2.54) 13(15.24,0) 14(15.24,2.54) 15(17.78,0) 16(17.78,2.54) 17(20.32,0) 18(20.32,2.54)
  silkscreen extent -1.27,-1.27 21.59,3.81
HFBRx5XX [mil]
  round 60 hole 38: 1(0,0) 2(-100,0) 3(-200,0) 4(-300,0)
  round 60 hole 35: 5(-300,-300) 8(0,-300)
  silkscreen extent -350,-400 50,100, body extent -350,-610 130,130, height 344
HSEC8-150-01-XX-DV-A-BL-CARD [mm]
  rect 0.55x2.8 smd far side paste-0.508 mask+0.05: 1(-21.2,-2.4) 3(-20.4,-2.4) 5(-19.6,-2.4) 7(-18.8,-2.4) 9(-18,-2.4) 11(-17.2,-2.4) 13(-16.4,-2.4) 15(-15.6,-2.4) 17(-14.8,-2.4) 19(-14,-2.4) 21(-13.2,-2.4) 23(-12.4,-2.4) 25(-11.6,-2.4) 27(-10.8,-2.4) 29(-10,-2.4) 31(-9.2,-2.4) 33(-8.4,-2.4) 35(-7.6,-2.4) 37(-6.8,-2.4) 39(-6,-2.4) 41(-5.2,-2.4) 43(-4.4,-2.4) 45(-3.6,-2.4) 47(-2.8,-2.4) 49(-2,-2.4) 51(-1.2,-2.4) 53(-0.4,-2.4) 55(3.6,-2.4) 57(4.4,-2.4) 59(5.2,-2.4) 61(6,-2.4) 63(6.8,-2.4) 65(7.6,-2.4) 67(8.4,-2.4) 69(9.2,-2.4) 71(10,-2.4) 73(10.8,-2.4) 75(11.6,-2.4) 77(12.4,-2.4) 79(13.2,-2.4) 81(14,-2.4) 83(14.8,-2.4) 85(15.6,-2.4) 87(16.4,-2.4) 89(17.2,-2.4) 91(18,-2.4) 93(18.8,-2.4) 95(19.6,-2.4) 97(20.4,-2.4) 99(21.2,-2.4)
  rect 0.55x2.8 smd paste-0.508 mask+0.102: 2(-21.2,-2.4)
  rect 0.55x2.8 smd paste-0.508 mask+0.05: 4(-20.4,-2.4) 6(-19.6,-2.4) 8(-18.8,-2.4) 10(-18,-2.4) 12(-17.2,-2.4) 14(-16.4,-2.4) 16(-15.6,-2.4) 18(-14.8,-2.4) 20(-14,-2.4) 22(-13.2,-2.4) 24(-12.4,-2.4) 26(-11.6,-2.4) 28(-10.8,-2.4) 30(-10,-2.4) 32(-9.2,-2.4) 34(-8.4,-2.4) 36(-7.6,-2.4) 38(-6.8,-2.4) 40(-6,-2.4) 42(-5.2,-2.4) 44(-4.4,-2.4) 46(-3.6,-2.4) 48(-2.8,-2.4) 50(-2,-2.4) 52(-1.2,-2.4) 54(-0.4,-2.4) 56(3.6,-2.4) 58(4.4,-2.4) 60(5.2,-2.4) 62(6,-2.4) 64(6.8,-2.4) 66(7.6,-2.4) 68(8.4,-2.4) 70(9.2,-2.4) 72(10,-2.4) 74(10.8,-2.4) 76(11.6,-2.4) 78(12.4,-2.4) 80(13.2,-2.4) 82(14,-2.4) 84(14.8,-2.4) 86(15.6,-2.4) 88(16.4,-2.4) 90(17.2,-2.4) 92(18,-2.4) 94(18.8,-2.4) 96(19.6,-2.4) 98(20.4,-2.4) 100(21.2,-2.4)
IPL1-102-01-L-D-K [mil]
  round 60 hole 40 mask+3: 1(-50,50) 2(50,50) 3(-50,-50) 4(50,-50)
  silkscreen extent -150,-185 150,165, body extent -130,-165 130,145, height 320
MWSA1004 [mm]
  rect 3.5x4 smd: 1(-4.75,0) 2(4.75,0)
  silkscreen extent -6,-5.5 6,5.5, body extent -5.97,-5.46 5.97,5.59, height 4
R_0603_N [mm] "SMD Resistor, Body 1.6x0.8mm, IPC Medium Density"
  rect 0.9x1 smd: 1(-0.8,0) 2(0.8,0)
  silkscreen extent -0.05,-0.4 0.05,0.4, body extent -0.8,-0.4 0.8,0.4, height 0.44
R_0603_TE [mm] "Vishay D0603 1.55 x 0.85 (+0.1/-0.05) 0.3 +/- 0,2mm Kontakte"
  rrect33% 0.9x0.5 smd: 1(0,0.73) 2(0,-0.73)
  body extent -0.42,-0.78 0.43,0.77, height 0.45
"RES 0603_1608" [mm] "Chip Resistor, 2-Leads, Body 1.60x0.80mm, IPC Medium Density"
  rect 0.85x0.95 smd: 1(-0.65,0) 2(0.65,0)
  silkscreen extent -1.27,-0.7 1.27,0.7, body extent -0.8,-0.4 0.8,0.4, height 0.45
RES_2012X06N [mm] "Chip Resistor, 2-Leads, Body 2,00x1,25mm, IPC Medium Density"
  rect 1x1.4 smd: 1(-0.925,0) 2(0.925,0)
  silkscreen extent -0.15,-0.64 0.15,0.64, body extent -1,-0.63 1,0.62, height 0.45
SB_0603 [mil] "Solder Bump"
  rect 32x40 smd: 1(33.75,0) 2(-33.75,0)
  Top Layer region: 23.75,20 14.75,20 -5.25,0 14.75,-20 23.75,-20
  Top Layer region: -26.25,0 -17.25,0 2.75,20 -26.25,20
  Top Layer region: -26.25,0 -17.25,0 2.75,-20 -26.25,-20
SERIAL_6.3X6.3MM [mm]
  silkscreen extent -3.3,-3.3 3.3,3.3
SN74LVC2GU04DCKR [mm] "TSOP, 6-Leads, Body 2,00x1,25mm, Pitch 0,65mm, IPC Medium Density"
  oval 0.85x0.4 smd: 1(1.125,-0.65) 2(1.125,0) 3(1.125,0.65) 4(-1.125,0.65) 5(-1.125,0) 6(-1.125,-0.65)
  silkscreen extent -0.3,-1.52 1.25,1.1, body extent -0.7,-1.1 0.7,1.1, height 1.1
SOP127P600X170_HS-9N [mm] "SOP, 8-Leads, Body 4,90x3,90mm, Pitch 1,27mm, Thermal Pad 3,10x2,40mm, IPC Medium Density"
  rrect50% 0.6x1.75 smd: 1(-1.905,-2.75) 2(-0.635,-2.75) 3(0.635,-2.75) 4(1.905,-2.75) 5(1.905,2.75) 6(0.635,2.75) 7(-0.635,2.75) 8(-1.905,2.75)
  rect 3.5x3 smd mask-0.2: 9(0,0)
  silkscreen extent -2.83,-3 2.5,1.6, body extent -3,-2.45 3,2.45, height 1.75
TP_1mm [mm]
  round 1 smd paste-1: 1(0,0)
  silkscreen extent -0.75,-0.75 0.75,0.75
TP_1MM [mm]
  round 1 smd paste-1: 1(0,0)
  silkscreen extent -0.75,-0.75 0.75,0.75
TST-112-01-G-D [mil] "2x12 .100'' Header Samtec"
  round 80 hole 40: 1(-550,-50) 2(-550,50) 3(-450,-50) 4(-450,50) 5(-350,-50) 6(-350,50) 7(-250,-50) 8(-250,50) 9(-150,-50) 10(-150,50) 11(-50,-50) 12(-50,50) 13(50,-50) 14(50,50) 15(150,-50) 16(150,50) 17(250,-50) 18(250,50) 19(350,-50) 20(350,50) 21(450,-50) 22(450,50) 23(550,-50) 24(550,50)
  silkscreen extent -745,-170 745,200, body extent -750,-177 750,196, height 353
UZ_Logo_small [mm] "logo width 3cm"
  silkscreen extent -0.05,0.57 29.94,12.12
VOLL_LASER [mm]
  silkscreen extent 0,-0.08 15.24,13.26
WL-SMCW_0603 [mm] "SMD Mono-color Chip LED, body 1.6x0.8mm"
  rect 0.8x0.8 smd: 1(-0.8,0) 2(0.8,0)
  silkscreen extent -1.59,-0.7 1.45,0.65, body extent -0.8,-0.4 0.8,0.4, height 0.7
ZC-Serial [mm] "Serialnumber"